# Altium PCB UKU205V3.PcbDoc (part 1 of 3)
Units mm, origin at the board's own origin, x right, y up, seen from the top; angles counter-clockwise.
Board outline 374.65 x 264.35 mm, 2 copper layers (Top Layer, Bottom Layer); 286 components, 293 nets, 1007 pads, 846 vias.
Unrouted connection lines stored in the file: 6.
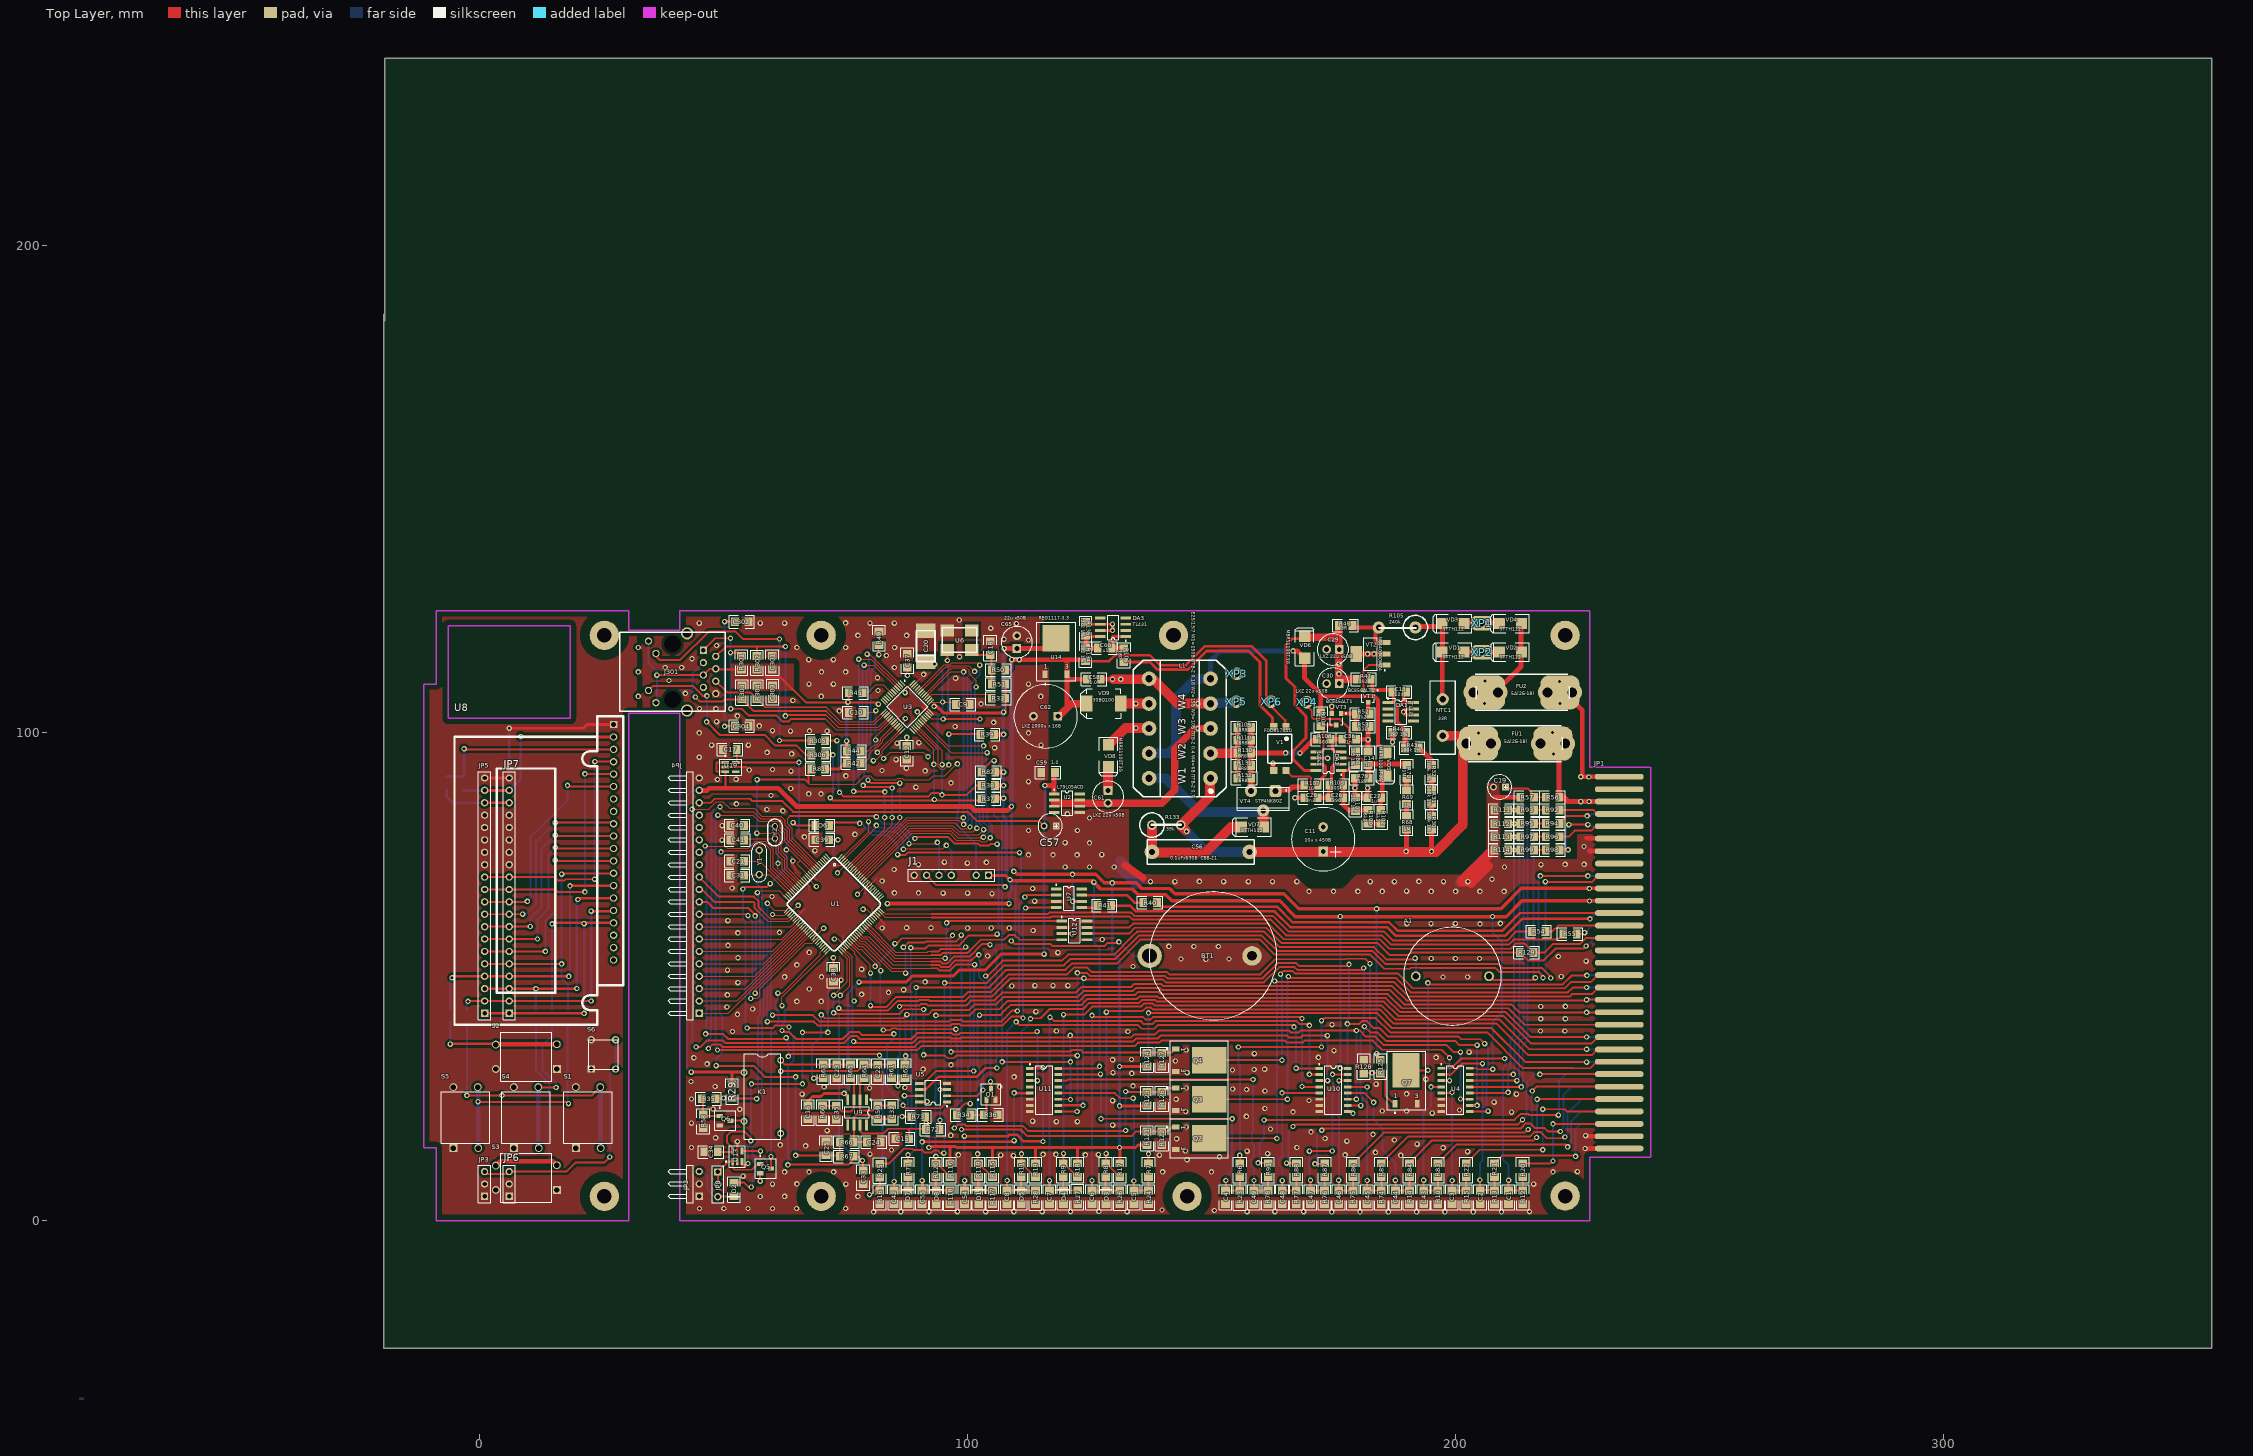
[diagram p0: Top Layer view]
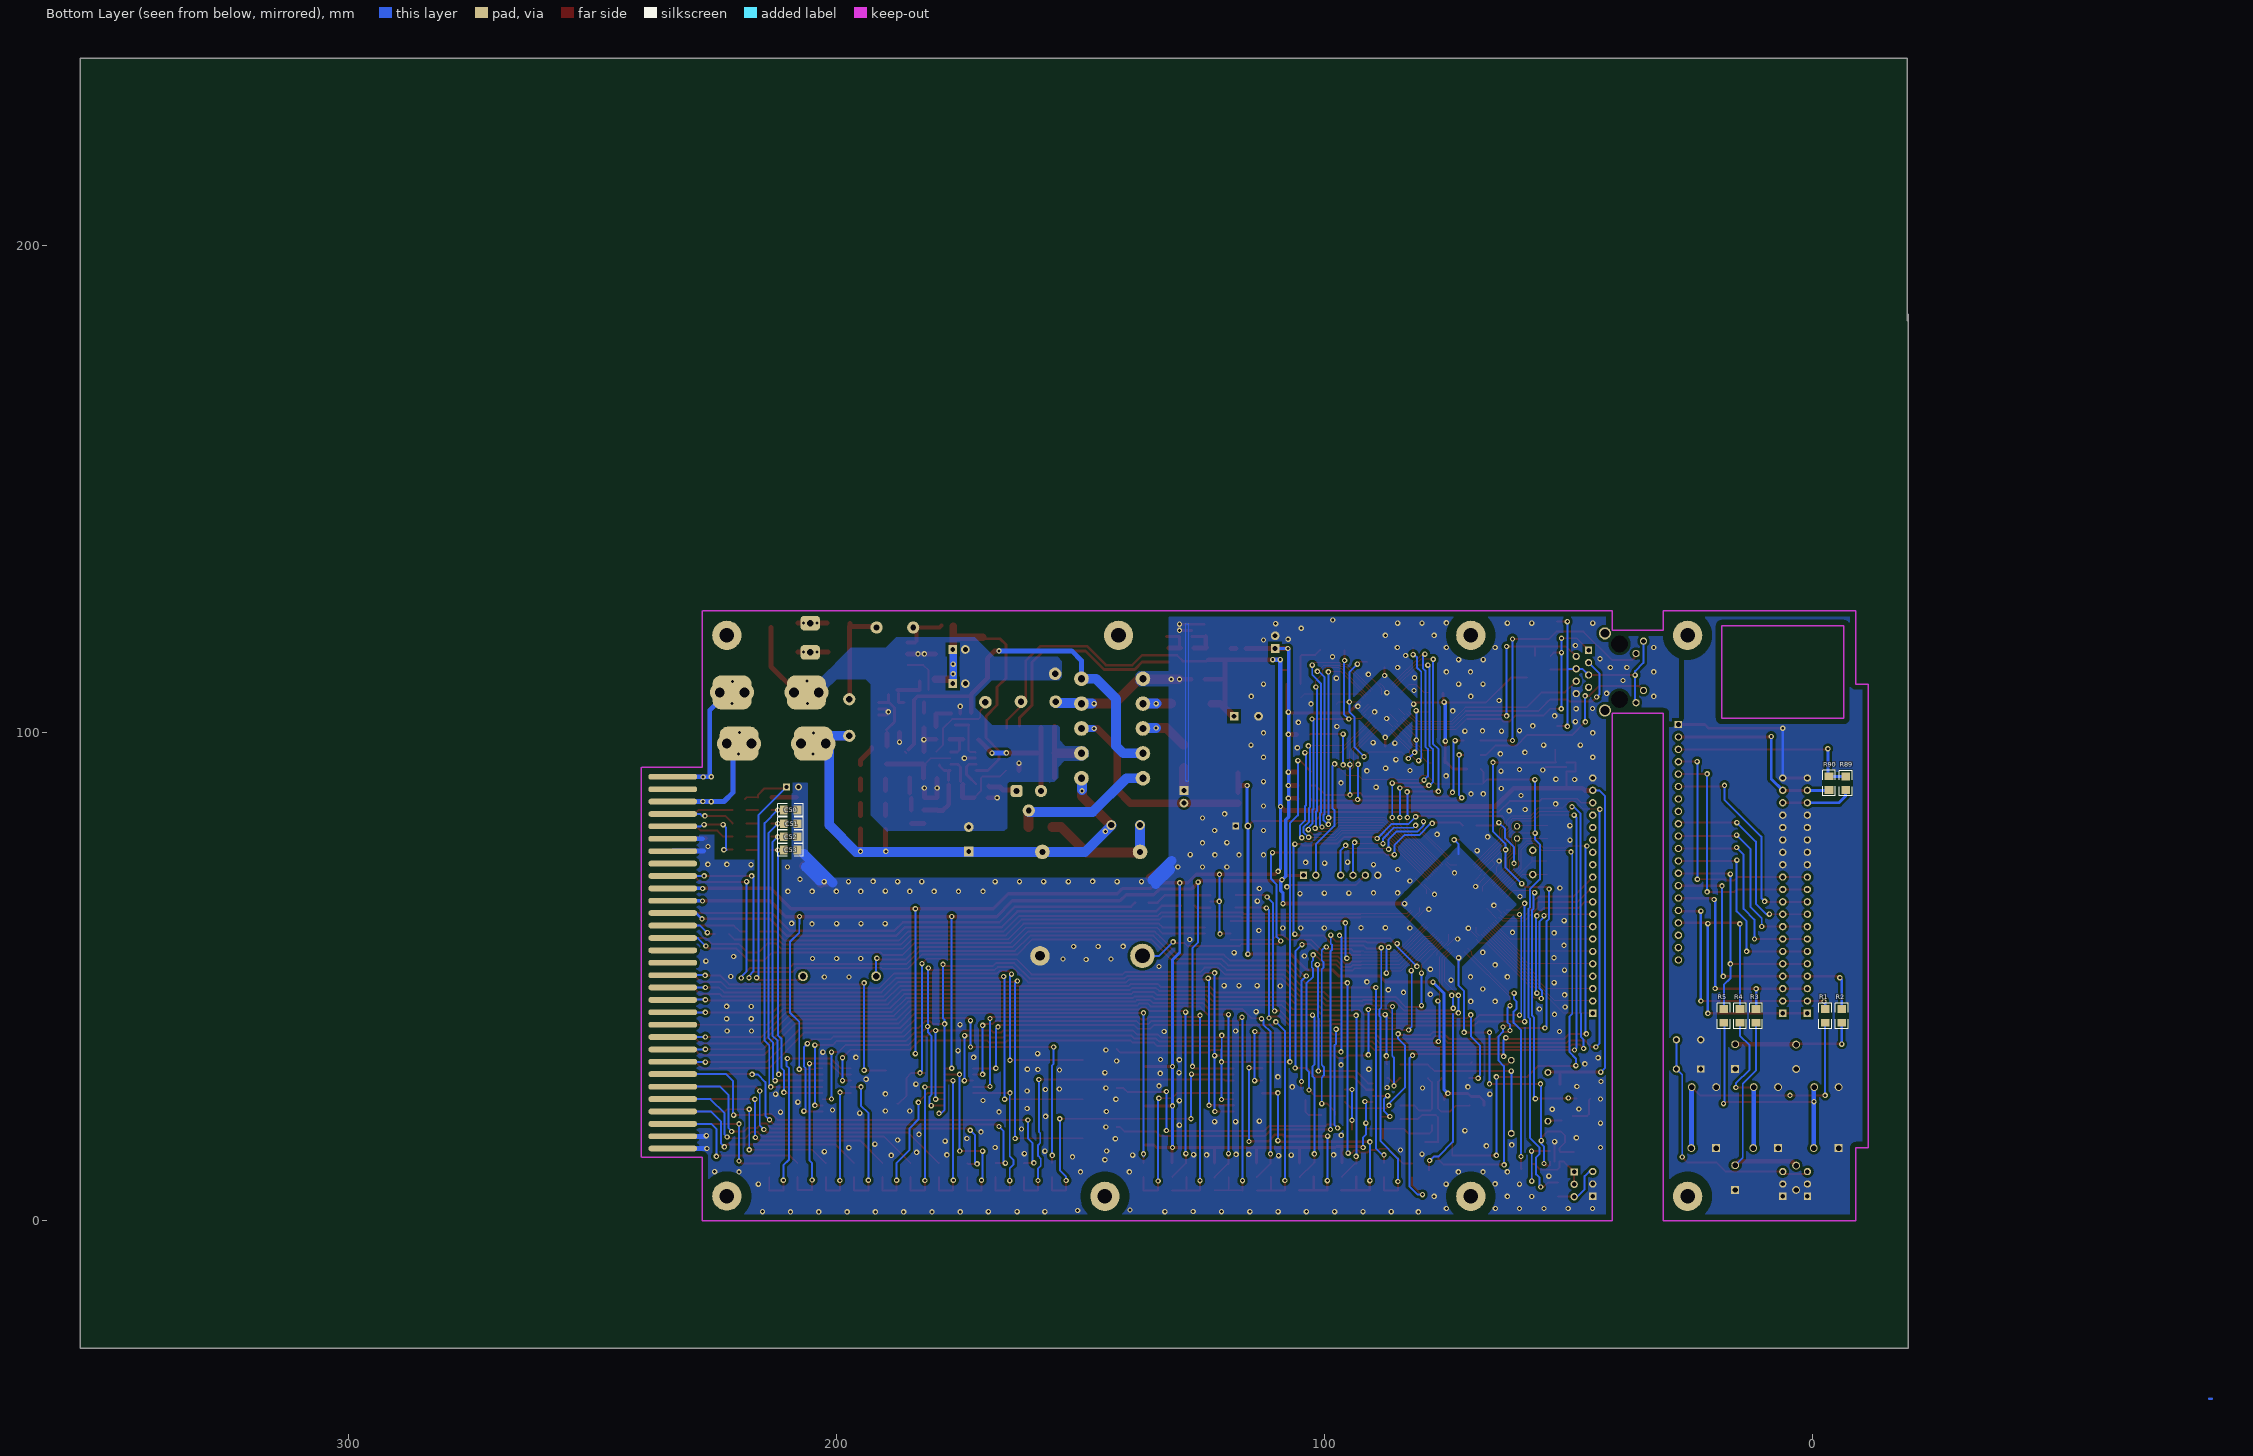
[diagram p1: Bottom Layer view, seen from below]

## Layer stack, top to bottom
Top Layer: signal copper 0.0356
Dielectric: dielectric 0.32, FR-4, Dk 4.8
Bottom Layer: signal copper 0.0356

## Board outline
-19.65,185.8 -19.65,-26.1 355,-26.1 355,238.25 -19.45,238.25 -19.45,184.45

## Design rules (kind name [scope] priority, off if disabled: settings)
Clearance Clearance_1 [InPoly vs InNet('+5VIZ') Or InNet('-5VIZ')] p1: gap=1
Clearance "Для разъёма" [InComponent(JP1)] p2: gap=0.6
Clearance Poly_Poly [InPoly vs InPoly] p3: gap=1
Clearance Keep_Out [OnLayer('Keep-Out Layer') vs Not InNet('NetJ2_5')] p4: gap=1
Clearance Holes [InPoly vs HasPad('Free-0')  Or HasPad('J2-10')  Or HasPad('J2-11')] p5: gap=2
Clearance Poly [InPoly] p6: gap=0.5
Clearance [All] p7: gap=0.15
Clearance Высоковольтное [InNet('+UOUT') or InNet('U1') or InNet('U2') or InNet('UAKB') or InNet('-UOUT') vs InPoly] p8: gap=0.6
FabricationTestPointUsage TestPointUsage [All] p1: valid=0 allowmultiple=FALSE
FabricationTestpoint Testpoint [All] p1: side=3 testpointundercomponent=TRUE minsize=1.016 maxsize=2.54 preferedsize=1.524 minholesize=0 maxholesize=1.016 preferedholesize=0.813 testpointgrid=0.025 allowsidetop=TRUE allowsidebottom=TRUE usegrid=TRUE gridtolerance=0
HoleSize [All] p1: absolutevalues=TRUE maxlimit=5 minlimit=0.025 maxpercent=80.000 minpercent=20.000
PolygonConnect PolygonConnect_2 [InComponent(JP1)] p1: connectstyle=Relief reliefconductorwidth=1 reliefentries=4 polygonreliefangle="90 Angle" airgapwidth=0.254
PolygonConnect PolygonConnect_1 [HasPad('JP101-7') or HasPad('JP6-7') or HasPad('JP6-9') or HasPad('JP6-10') Or InComponent(U101)] p2: connectstyle=Direct reliefconductorwidth=0.254 reliefentries=4 polygonreliefangle="90 Angle" airgapwidth=0.254
PolygonConnect [All] p3: connectstyle=Relief reliefconductorwidth=0.5 reliefentries=4 polygonreliefangle="90 Angle" airgapwidth=0.254
RoomDefinition rs232_part [InComponentClass('rs232_part')] p1: confinementstyle=ConfineIn formatcopy=TRUE lockcomponents=FALSE outline -144.3,-33.9 -93.5,-33.9 -93.5,-8.5 -144.3,-8.5
RoomDefinition face_board [InComponentClass('face_board')] p2: confinementstyle=ConfineIn formatcopy=TRUE lockcomponents=FALSE outline -144.3,-33.9 -93.5,-33.9 -93.5,-8.5 -144.3,-8.5
RoomDefinition eth_part [InComponentClass('eth_part')] p3: confinementstyle=ConfineIn formatcopy=TRUE lockcomponents=FALSE outline -144.3,-33.9 -93.5,-33.9 -93.5,-8.5 -144.3,-8.5
RoomDefinition cpu_board [InComponentClass('cpu_board')] p4: confinementstyle=ConfineIn formatcopy=TRUE lockcomponents=FALSE outline -144.3,-33.9 -93.5,-33.9 -93.5,-8.5 -144.3,-8.5
RoomDefinition analog_part [InComponentClass('analog_part')] p5: confinementstyle=ConfineIn formatcopy=TRUE lockcomponents=FALSE outline -144.3,-33.9 -93.5,-33.9 -93.5,-8.5 -144.3,-8.5
RoutingVias [All] p1: holewidth=0.6 width=1.1 viastyle="Through Hole" minholewidth=0.6 minwidth=1.1 maxholewidth=0.7 maxwidth=1.2
SilkToSolderMaskClearance SilkscreenOverComponentPads [IsPad] p1: minsilkscreentomaskgap=0.254 clearancetoexposedcopper=TRUE
SolderMaskExpansion [All] p1: expansion=0.102
Width [All] p1: maxlimit=2 minlimit=0.2 preferedwidth=0.5 bottomlayer_prefwidth=0.4 minimp=50.000000 maximp=50.000000 favimp=50.000000
24 further rules are at their usual default settings.

## Classes and differential pairs
component class analog_part: C1 C2 C3 C4 C5 C6 C7 C8 C42 C43 C44 C45 C46 C47 C48 C49 C50 C51 C52 C53 C54 C55 D1 D3 D4 D5 D7 D8 Q2 Q3 Q4 Q7 R6 R7 R8 R9 R10 R11 R12 R13 R14 R15 R16 R17 R18 R19 R20 R21 R22 R23 R24 R25 R26 R27 R28 R71 R74 R75 R76 R77 R78 R83 R84 R85 R86 R87 R88 R91 R92 R93 R94 R95 R96 R97 R98 R99 R111 R112 R113 R114 R115 R116 R117 R118 R119 R120 R121 R122 R123 R124 R125 R126 R127 R128 U4 U10 U11
component class rs232_part: R72 R73 U5
component class face_board: JP3 JP5 JP6 JP7 R1 R2 R3 R4 R5 R89 R90 S1 S2 S3 S4 S5 S6 TX0 U8
component class cpu_board: A1 C15 C16 C17 C19 C21 C22 C23 C24 C25 C31 C32 C33 C34 C35 C37 C38 C39 C40 C41 D2 J1 JP1 JP2 JP4 JP8 K1 Q1 Q5 Q6 R29 R34 R35 R36 R40 R41 R54 R55 R56 R57 R58 R59 R60 R61 R62 R63 R64 R65 R66 R67 R81 R82 R129 U1 U7 U9 U12 U13 U19 Y1 Y2
component class power_board: BT1 C11 C13 C14 C26 C27 C28 C29 C30 C36 C56 C57 C58 C59 C60 C61 C62 C65 D6 DA1 DA2 DA3 FU1 FU2 L1 NTC1 R30 R31 R32 R43 R46 R47 R48 R52 R53 R68 R69 R79 R80 R100 R101 R102 R103 R104 R105 R106 R107 R108 R109 R110 R130 R131 R132 R133 R134 R135 U2 U14 U101 V1 VD1 VD2 VD3 VD4 VD5 VD6 VD7 VD8 VD9 VT1 VT2 VT3 VT4 XP1 XP2 XP3 XP4 XP5 XP6
component class eth_part: C9 C10 C12 C18 C20 C301 C302 C303 C304 J301 R33 R37 R38 R39 R42 R44 R45 R49 R50 R51 R301 R302 R303 R304 R305 R306 U3 U6

## Components (designator, comment, footprint, x,y, rotation, side; value= is the part's Value field where it differs from the comment)
A1 "EFM-260" Pjezo15 194.4,50.1 r0 top
BT1 "CR2032" BAT_SUPP 150.3,54.3 r90 top
C1 "1.0" _1206#1 210.9,4.8 r270 top
C2 "1.0" _1206#1 205.1,4.8 r270 top
C3 "1.0" _1206#1 199.3,4.8 r270 top
C4 "1.0" _1206#1 152.9,4.8 r270 top
C5 "1.0" _1206#1 134.1,4.8 r270 top
C6 "1.0" _1206#1 125.5,4.8 r270 top
C7 "1.0" _1206#1 116.8,4.8 r270 top
C8 "1.0" _1206#2 108.1,4.8 r270 top
C9 "0.1" C3216-1206 99.05,105.8 r0 top
C10 "0.1" C3216-1206 77.05,104.2 r180 top
C11 "10u x 450B" "10uf x 450V" 172.9,78.2 r270 top
C12 "0.1" _1206#1 87.55,95.9 r270 top
C13 "10n" _1206#1 188.488,108.393 r180 top
C14 "1n" _1206#3 182.097,94.797 r90 top
C15 "1.0" C3216-1206 86.6,16.8 r0 top
C16 "1.0" C3216-1206 67.3,22.2 r90 top
C17 "1.0" _1206#1 51.3,96.6 r0 top
C18 "0.1" _1206#1 104.65,117.4 r90 top
C19 "22.0x50" el3 210.311,88.892 r180 top
C20 "10.0x25 tantal" CAP_EL_6_3 91.45,114.6 r90 top
C21 "10" _1206#1 52.8,73.7 r0 top
C22 "1.0" _1206#1 81.6,30.6 r90 top
C23 "1.0" _1206#1 73.2,30.6 r270 top
C24 "1.0" _1206#1 80.8,16.1 r180 top
C25 "1.0" _1206#1 71,14.8 r270 top
C26 "390" _1206#3 175.597,86.703 r180 top
C27 "1u" _1206#3 183.4,86.7 r180 top
C28 "3n3" _1206#3 170.4,86.7 r0 top
C29 "LXZ 22u x50B" CAP_POL_6.3x12 174.9,117.1 r0 top
C30 "LXZ 22u x50B" CAP_POL_6.3x12 174.9,110.1 r0 top
C31 "10" _1206#1 52.8,70.8 r0 top
C32 "0.1" _1206#1 84.45,22.25 r270 top
C33 "1.0" _1206#1 78.6,8.9 r90 top
C34 "1.0" _1206#2 47.4,14.1 r180 top
C35 "0.1" _1206#1 73.1,22.15 r270 top
C36 "1n" _1206#3 178.203,98.697 r0 top
C37 "1.0" _1206#1 87.65,114.8 r270 top
C38 "1.0" _1206#1 72.5,50.4 r90 top
C39 "1.0" _1206#1 70.2,78.1 r0 top
C40 "33" _1206#1 52.8,81 r0 top
C41 "33" _1206#1 52.8,78.05 r0 top
C42 "1n0x1000" _1206#1 84.9,4.8 r270 top
C43 "1.0" _1206#1 193.5,4.8 r270 top
C44 "1.0" _1206#1 187.7,4.8 r270 top
C45 "1.0" _1206#1 181.9,4.8 r270 top
C46 "1.0" _1206#1 176.1,4.8 r270 top
C47 "1.0" _1206#1 170.3,4.8 r270 top
C48 "1.0" _1206#1 164.5,4.8 r270 top
C49 "1.0" _1206#1 158.7,4.8 r270 top
C50 "1.0" _1206#1 209.4,84.2 r180 bottom
C51 "1.0" _1206#1 209.4,81.4 r180 bottom
C52 "1.0" _1206#1 209.4,78.7 r180 bottom
C53 "1.0" _1206#1 209.4,76 r180 bottom
C54 "1.0" _1206#2 99.4,4.8 r270 top
C55 "1.0" _1206#2 90.7,4.8 r270 top
C56 "0.1uFx630B  CBB-21" "0.1uf *630V" 157.8,75.6 r180 top
C57 "22.0 x 35" el3 118.2,80.9 r180 top
C58 "1.0" C3216-1206 125.9,111 r180 top
C59 "1.0" C3216-1206 116.495,91.902 r180 top
C60 "u1" _1206#3 128.097,117.403 r180 top
C61 "LXZ 22u x50B" CAP_POL_6.3x12 128.8,86.9 r90 top
C62 "LXZ 1000u x 16B" CAP_POL_13x21 116,103.4 r0 top
C65 "22u x50B" CAP_POL_6.3x12 110.1,118.6 r270 top
C301 "0.1" C3216-1206 59.95,114.4 r270 top
C302 "0.1" C3216-1206 53.7,122.8 r180 top
C303 "0.1" C3216-1206 60,108.35 r90 top
C304 "0.1" C3216-1206 53.7,101.4 r180 top
D1 "BZV55-C5V6" _1206d#1 102.3,4.8 r270 top
D2 "LL4148" _1206d#2 52.1,6.4 r90 top
D3 "BZV55-C5V6" _1206d#1 128.4,4.8 r270 top
D4 "BZV55-C5V6" _1206d#1 119.7,4.8 r270 top
D5 "BZV55-C5V6" _1206d#1 111,4.8 r270 top
D6 "LL4148" _1206d#2 70.2,81 r0 top
D7 "BZV55-C3V9" _1206d#2 87.8,4.8 r270 top
D8 "BZV55-C5V6" _1206d#1 93.6,4.8 r270 top
DA1 "TL431" SO-G8#1 188.8,104.3 r270 top
DA2 "L6565" SO-G8#2 174,94.2 r90 top
DA3 "TL431" SO-G8#2 129.796,121.635 r90 top
FU1 "5A(2Б-1В)" FUSE-3A 212.38,97.8 r180 top
FU2 "5A(2Б-1В)" FUSE-3A 213.8,108.3 r180 top
J1 "LPC_CONN" HDR1X7 104.3,70.8 r180 top
J301 "J0011D21B" J0011D21B 39.5,112.5 r90 top
JP1 "" sl-62f 233.6,91 r270 top
JP2 "Header 3H" HDR1X3H 45,5 r90 top
JP3 "Header 3" HDR1X3#1 1,5 r90 top
JP4 "Header 20H" HDR1X20H 45,42.5 r90 top
JP5 "Header 20" HDR1X20 1,42.5 r90 top
JP6 "Header 3" HDR1X3#1 6.05,5 r90 top
JP7 "Header 20" HDR1X20 6.05,42.5 r90 top
JP8 "PLS-3" HDR1X3#2 48.8,10 r270 top
K1 "DH1A" kuan 54.2,32.9 r270 top
L1 "E25/13/7 W1=150B ПТВ-2 0,18 W2=15B W3=10B ПТВ-2 0,4 W4=6B ПТВ-2 0,7" Lps_360RH 149.8,90.7 r90 top locked
NTC1 "33R" "NTC 33R" 197.4,106.9 r270 top
Q1 "BC846" SO-G3#1 104.8,25.9 r0 top
Q2 "IRLR120" SIP-G3/E8 146.1,16.9 r270 top
Q3 "IRLR120" SIP-G3/E8 146.1,24.9 r270 top
Q4 "IRLR120" SIP-G3/E8 146.1,32.9 r270 top
Q5 "IRLML2402" SO-G3#2 58.6,10.7 r270 top
Q6 "BC846" SO-G3#1 50.3,20.5 r270 top
Q7 "IRLR120" SIP-G3/E8 189.9,27.4 r0 top
R1 "2K7" _1206#1 -2.65,42 r90 bottom
R2 "2K7" _1206#1 -6.05,42 r90 bottom
R3 "2K7" _1206#1 11.516,42 r90 bottom
R4 "2K7" _1206#1 14.824,42 r90 bottom
R5 "2K7" _1206#1 18.132,42 r90 bottom
R6 "2K7" _1206#1 155.8,10.4 r90 top
R7 "2K7" _1206#1 137.1,10.4 r90 top
R8 "2K7" _1206#2 128.3,10.4 r90 top
R9 "2K7" _1206#2 119.6,10.4 r90 top
R10 "1K0" _1206#2 196.4,4.8 r270 top
R11 "2K7" _1206#2 111,10.4 r90 top
R12 "1K0" _1206#1 213.8,4.8 r270 top
R13 "1K0" _1206#1 208,4.8 r270 top
R14 "1K0" _1206#2 190.6,4.8 r270 top
R15 "1K0" _1206#1 202.2,4.8 r270 top
R16 "1K0" _1206#1 82,4.8 r270 top
R17 "1K0" _1206#2 131.2,10.4 r90 top
R18 "1K0" _1206#2 122.5,10.4 r90 top
R19 "1K0" _1206#2 113.9,10.4 r90 top
R20 "33K" _1206#1 213.8,10.4 r90 top
R21 "33K" _1206#1 208,10.4 r90 top
R22 "33K" _1206#1 202.2,10.4 r90 top
R23 "10K" _1206#1 155.8,4.8 r90 top
R24 "10K" _1206#1 137.1,4.8 r90 top
R25 "10K" _1206#1 82,10.3 r90 top
R26 "10K" _1206#2 131.2,4.8 r90 top
R27 "10K" _1206#2 122.55,4.85 r90 top
R28 "10K" _1206#2 113.9,4.8 r90 top
R29 "1K0" _1206#1 51.7,26.5 r270 top
R30 "100k 1%" _1206#3 195.097,81.597 r270 top
R31 "100k 1%" _1206#3 195.097,86.897 r270 top
R32 "100k 1%" _1206#3 195.097,91.997 r270 top
R33 "2K2" _1206#1 106.35,107.1 r0 top
R34 "1K0" _1206#1 99.2,21.7 r0 top
R35 "1K0" _1206#1 46.9,25 r180 top
R36 "10K" _1206#1 104.7,21.7 r180 top
R37 "2K2" _1206#1 104.25,86.5 r0 top
R38 "2K2" _1206#1 104.25,89.2 r0 top
R39 "2K2" _1206#1 104.05,99.7 r0 top
R40 "K10" _1206#1 137.4,65.2 r180 top
R41 "K10" _1206#1 128,64.6 r180 top
R42 "2K2" _1206#1 76.65,93.8 r180 top
R43 "100k 1%" _1206#3 191.1,96.9 r0 top
R44 "2K2" _1206#1 76.65,96.3 r180 top
R45 "10K" _1206#1 77.05,108.2 r180 top
R46 "2k7 1%" _1206#3 188.503,100.097 r0 top
R47 "2k2" _1206#3 181.203,110.997 r0 top
R48 "3R" _1206#3 177.5,122 r0 top
R49 "4K87" _1206#1 81.85,119.4 r270 top
R50 "1R" _1206#1 106.35,112.9 r0 top
R51 "1R" _1206#1 106.35,110 r0 top
R52 "2k2" _1206#3 181,103.9 r180 top
R53 "33k" _1206#3 180.997,101.303 r180 top
R54 "1K0" _1206#1 217.1,59.3 r0 top
R55 "1K0" _1206#1 223.5,58.8 r0 top
R56 "10K" _1206#1 219.912,86.807 r0 top
R57 "2K7" _1206#1 214.7,86.8 r0 top
R58 "10K" _1206#1 45.8,20.4 r90 top
R59 "20K" _1206#1 81.6,22.25 r90 top
R60 "20K" _1206#1 70.25,22.2 r90 top
R61 "10R" _1206#1 84.4,30.6 r270 top
R62 "10R" _1206#1 87.2,30.6 r270 top
R63 "10R" _1206#1 70.4,30.6 r270 top
R64 "2K0" _1206#1 78.8,30.6 r270 top
R65 "2K0" _1206#1 76,30.6 r270 top
R66 "20K" _1206#1 75.2,16.1 r180 top
R67 "20K" _1206#1 75.2,13.2 r0 top
R68 "1M" _1206#3 189.997,81.597 r270 top
R69 "1M" _1206#3 189.997,86.797 r270 top
R70 "1M" _1206#3 190,92 r270 top
R71 "2K7" _1206#1 87.8,10.4 r90 top
R72 "2K7" _1206#2 92.9,18.7 r180 top
R73 "2K7" _1206#2 89.9,21.3 r180 top
R74 "1K0" _1206#2 184.8,4.8 r270 top
R75 "1K0" _1206#2 179,4.8 r270 top
R76 "1K0" _1206#2 173.2,4.8 r270 top
R77 "1K0" _1206#2 167.4,4.8 r270 top
R78 "1K0" _1206#2 161.6,4.8 r270 top
R79 "18k" _1206#3 180.8,90.7 r0 top
R80 "2k2 1%" _1206#3 179.497,94.797 r270 top
R81 "10K" _1206#1 69.4,92.6 r0 top
R82 "10K" _1206#1 104.25,92 r180 top
R83 "33K" _1206#2 196.4,10.4 r90 top
R84 "33K" _1206#2 190.6,10.4 r90 top
R85 "33K" _1206#2 184.8,10.4 r90 top
R86 "33K" _1206#2 179,10.4 r90 top
R87 "33K" _1206#2 173.2,10.4 r90 top
R88 "33K" _1206#2 167.4,10.4 r90 top
R89 "7K5" _1206#1 -6.85,89.7 r90 bottom
R90 "2K2" _1206#1 -3.45,89.7 r270 bottom
R91 "33K" _1206#2 161.6,10.4 r90 top
R92 "6K2" _1206#2 219.9,84.2 r180 top
R93 "6K2" _1206#2 214.7,84.2 r180 top
R94 "6K2" _1206#2 219.9,81.4 r180 top
R95 "6K2" _1206#2 214.7,81.4 r180 top
R96 "6K2" _1206#2 219.9,78.7 r180 top
R97 "6K2" _1206#2 214.7,78.7 r180 top
R98 "6K2" _1206#2 219.9,76 r180 top
R99 "6K2" _1206#2 214.7,76 r180 top
R100 "6k2" _1206#3 182.097,82.797 r90 top
R101 "2k2 1%" _1206#3 179.5,85.4 r270 top
R102 "5k1" _1206#3 184.703,82.803 r90 top
R103 "100k" _1206#3 175.603,89.297 r0 top
R104 "51k" _1206#3 172.403,102.803 r90 top
R105 "240k" "MF-2 vert"#1 191.8,121.6 r180 top
R106 "180" _1206#3 132,115.9 r270 top
R107 "10" _1206#3 170.397,89.303 r180 top
R108 "560" _1206#3 173,98.7 r180 top
R109 "6R8" _1206#3 156.7,101.1 r0 top
R110 "6R8" _1206#3 156.7,98.5 r0 top
R111 "1K0" _1206#2 209.4,84.2 r0 top
R112 "1K0" _1206#2 209.4,81.4 r0 top
R113 "1K0" _1206#2 209.4,78.7 r0 top
R114 "1K0" _1206#2 209.4,76 r0 top
R115 "1K0" _1206#2 105.1,10.4 r90 top
R116 "1K0" _1206#2 96.4,10.4 r90 top
R117 "10K" _1206#2 105.1,4.8 r90 top
R118 "10K" _1206#2 96.4,4.8 r90 top
R119 "2K7" _1206#2 102.2,10.4 r90 top
R120 "2K7" _1206#2 93.5,10.4 r90 top
R121 "1K0" _1206#2 136.8,16.9 r270 top
R122 "10K" _1206#2 139.8,16.9 r270 top